# KiCad board transistor_clock.kicad_pcb
title: Transistor clock; date: 2023-09-27; rev: A; company: Xavier Bourlot
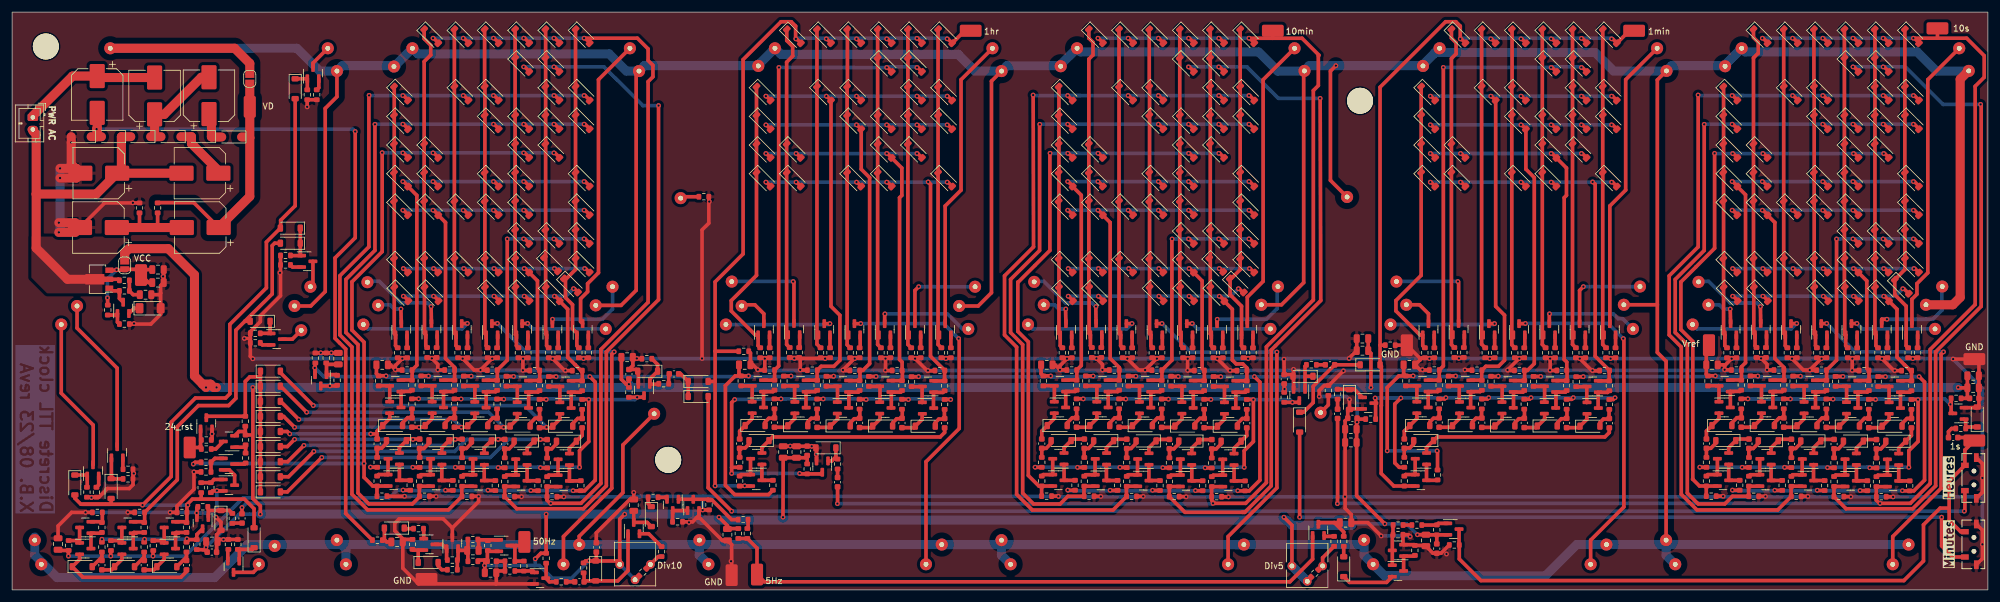
[diagram p0: board, top side]
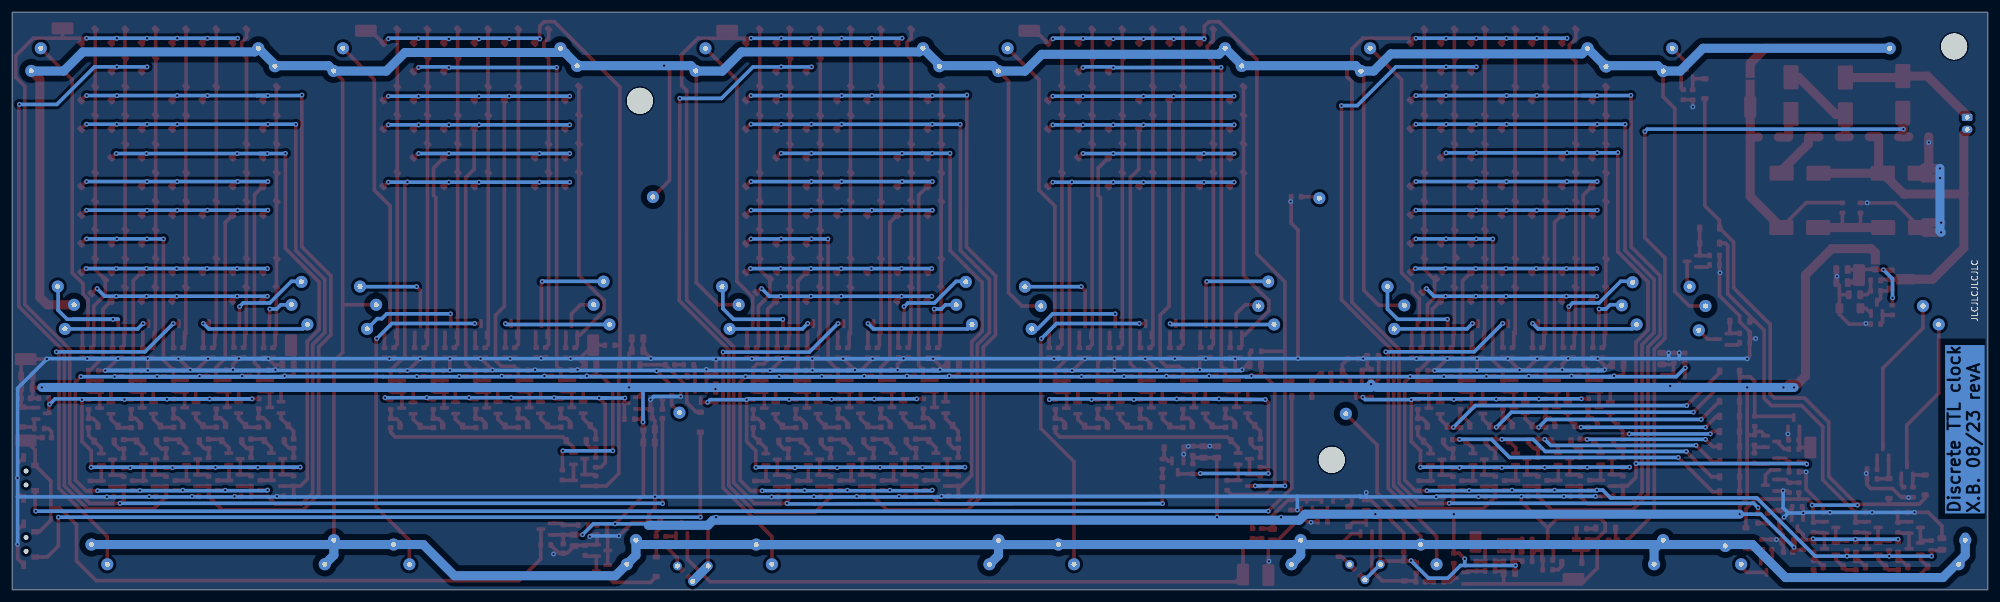
[diagram p1: board, bottom side, seen from below]

Outline 327 x 95.75 mm; copper layers: Top, Bottom. Coordinates in mm from the lower left corner of the outline.
Outline path: rectangle 0,95.75 327,0
Stack: Top 0.035mm / dielectric 1.51mm FR4 er 4.5 / Bottom 0.035mm

## Placement (name value [footprint] x y rotation side)
C1  10u  [C_0805_2012Metric]  53.99 38.33 270 top
C2  10u  [C_0805_2012Metric]  324.55 33.49 0 top
C3  1n  [C_0603_1608Metric]  88.55 24.14 90 top
C4  10u  [C_0805_2012Metric]  324.55 35.49 0 top
C5  100n  [C_0603_1608Metric]  324.74 31.75 180 top
C6  100n  [C_0603_1608Metric]  321.25 25.25 180 top
C7  10u  [C_0805_2012Metric]  281.34 37.3 180 top
C8  1n  [C_0603_1608Metric]  308.55 24.14 90 top
C9  1n  [C_0603_1608Metric]  301.54 24.17 90 top
C10  1n  [C_0603_1608Metric]  191.54 24.17 90 top
C11  1n  [C_0603_1608Metric]  74.47 24.19 90 top
C12  1n  [C_0603_1608Metric]  294.47 24.19 90 top
C13  10u  [C_0805_2012Metric]  221.57 26.63 180 top
C14  1n  [C_0603_1608Metric]  81.54 24.17 90 top
C15  10u  [C_0805_2012Metric]  223.49 41.65 180 top
C16  1n  [C_0603_1608Metric]  66.18 27.73 270 top
C17  10u  [C_0805_2012Metric]  129.82 22.86 90 top
C18  1n  [C_0603_1608Metric]  67.45 24.22 90 top
C19  10u  [C_0805_2012Metric]  221.57 24.43 180 top
C20  100n  [C_0603_1608Metric]  221.83 28.45 0 top
C21  100n  [C_0603_1608Metric]  219.37 29.18 90 top
C22  10u  [C_0805_2012Metric]  231.25 37.3 180 top
C23  1n  [C_0603_1608Metric]  287.45 24.22 90 top
C24  1n  [C_0603_1608Metric]  177.45 24.22 90 top
C25  1n  [C_0603_1608Metric]  184.47 24.19 90 top
C26  1n  [C_0603_1608Metric]  60.41 24.24 90 top
C27  10u  [C_0805_2012Metric]  101.79 38.55 0 top
C28  10u  [C_0805_2012Metric]  127.62 22.86 90 top
C29  100n  [C_0603_1608Metric]  131.59 23.05 270 top
C30  100n  [C_0603_1608Metric]  136.62 17.86 90 top
C31  10u  [C_0805_2012Metric]  121.25 37.3 180 top
C32  1n  [C_0603_1608Metric]  280.41 24.24 90 top
C33  1n  [C_0603_1608Metric]  286.17 27.73 270 top
C34  1n  [C_0603_1608Metric]  176.18 27.73 270 top
C35  1n  [C_0603_1608Metric]  170.41 24.24 90 top
C36  10u  [C_0805_2012Metric]  223.49 39.65 180 top
C37  100n  [C_0603_1608Metric]  210.54 34.92 270 top
C38  100n  [C_0603_1608Metric]  218.11 37.3 180 top
C39  10u  [C_0805_2012Metric]  171.25 37.3 180 top
C40  1n  [C_0603_1608Metric]  198.55 24.14 90 top
C41  100n  [C_0603_1608Metric]  109.54 35.8 180 top
C42  100n  [C_0603_1608Metric]  102.09 35.75 270 top
C43  10u  [C_0805_2012Metric]  61.25 37.3 180 top
C44  1n  [C_0603_1608Metric]  73.21 27.73 270 top
C45  1n  [C_0603_1608Metric]  94.34 27.63 270 top
C46  1n  [C_0603_1608Metric]  80.26 27.71 270 top
C47  1n  [C_0603_1608Metric]  293.21 27.73 270 top
C48  1n  [C_0603_1608Metric]  300.26 27.71 270 top
C49  1n  [C_0603_1608Metric]  190.26 27.71 270 top
C50  1n  [C_0603_1608Metric]  183.21 27.73 270 top
C51  1n  [C_0603_1608Metric]  87.29 27.66 270 top
C52  1n  [C_0603_1608Metric]  14.86 4.1 270 top
C53  1n  [C_0603_1608Metric]  307.29 27.66 270 top
C54  1n  [C_0603_1608Metric]  28.86 4.1 270 top
C55  1n  [C_0603_1608Metric]  21.86 4.1 270 top
C56  100n  [C_0603_1608Metric]  38.05 11.85 270 top
C57  10u  [C_0805_2012Metric]  7.61 7.61 270 top
C58  10u  [C_0805_2012Metric]  33.07 8.02 0 top
C59  100n  [C_0603_1608Metric]  33.07 6.27 180 top
C60  10u  [C_0805_2012Metric]  22.09 48.93 0 top
C61  10u  [C_0805_2012Metric]  24.14 50.93 0 top
C62  1n  [C_0603_1608Metric]  314.34 27.63 270 top
C63  1n  [C_0603_1608Metric]  204.34 27.63 270 top
C64  1n  [C_0603_1608Metric]  197.29 27.66 270 top
C65  470u  [CP_Elec_8x5.4]  14.09 82.1 270 top
C66  470u  [CP_Elec_8x5.4]  31.09 69.05 180 top
C67  10u  [C_0805_2012Metric]  118.39 9.15 270 top
C68  100n  [C_0603_1608Metric]  93.89 1.35 0 top
C69  100n  [C_0603_1608Metric]  96.69 7.05 270 top
C70  1u  [C_0805_2012Metric]  102.89 14.05 270 top
C71  1u  [C_0805_2012Metric]  220.69 11.15 180 top
C72  10u  [C_0805_2012Metric]  233.99 8.2 270 top
C73  100n  [C_0603_1608Metric]  235.79 6.85 90 top
C74  470u  [CP_Elec_8x5.4]  14.34 69.05 180 top
C75  470u  [CP_Elec_8x5.4]  32.59 81.9 90 top
C76  10u  [C_0805_2012Metric]  24.15 53.08 0 top
C77  10n  [C_0805_2012Metric]  63.71 7.95 180 top
C78  220p  [C_0805_2012Metric]  76.26 6.55 180 top
C79  10u  [C_0805_2012Metric]  79.19 2.85 0 top
C80  100n  [C_0603_1608Metric]  79.39 4.75 180 top
C81  470u  [CP_Elec_8x5.4]  23.59 81.85 90 top
C82  470u  [CP_Elec_8x5.4]  31.14 60.05 180 top
C83  470u  [CP_Elec_8x5.4]  14.29 60.05 180 top
C85  1n  [C_0603_1608Metric]  230.41 24.24 90 top
C86  1n  [C_0603_1608Metric]  236.17 27.73 270 top
C87  1n  [C_0603_1608Metric]  243.24 27.71 270 top
C88  1n  [C_0603_1608Metric]  250.26 27.68 270 top
C89  1n  [C_0603_1608Metric]  257.27 27.66 270 top
C90  1n  [C_0603_1608Metric]  264.34 27.63 270 top
C91  1n  [C_0603_1608Metric]  120.41 24.24 90 top
C92  1n  [C_0603_1608Metric]  126.18 27.73 270 top
C93  1n  [C_0603_1608Metric]  133.24 27.71 270 top
C94  1n  [C_0603_1608Metric]  140.26 27.68 270 top
C95  1n  [C_0603_1608Metric]  147.28 27.66 270 top
C96  1n  [C_0603_1608Metric]  154.34 27.63 270 top
D1  LED  [LED_filament_38mm]  323.25 89.75 180 top
D2  LED  [LED_filament_38mm]  319.32 49.28 83 top
D3  LED  [LED_filament_38mm]  318.37 44.24 263 top
D4  LED  [LED_filament_38mm]  312.25 4.25 180 top
D5  LED  [LED_filament_38mm]  278.25 44.97 263 top
D6  LED  [LED_filament_38mm]  278.99 50.05 83 top
D7  LED  [LED_filament_38mm]  279.75 47.25 0 top
D8  1N4148W  [D_SOD-123]  314.42 91.75 315 top
D9  1N4148W  [D_SOD-123]  309.42 91.75 315 top
D10  1N4148W  [D_SOD-123]  304.42 91.75 315 top
D11  1N4148W  [D_SOD-123]  299.37 91.75 315 top
D12  1N4148W  [D_SOD-123]  294.37 91.75 315 top
D13  1N4148W  [D_SOD-123]  289.37 91.75 315 top
D14  1N4148W  [D_SOD-123]  309.42 87 315 top
D15  1N4148W  [D_SOD-123]  304.42 87 315 top
D16  1N4148W  [D_SOD-123]  314.42 82.25 315 top
D17  1N4148W  [D_SOD-123]  309.42 82.25 315 top
D18  1N4148W  [D_SOD-123]  299.37 82.25 315 top
D19  1N4148W  [D_SOD-123]  294.37 82.25 315 top
D20  1N4148W  [D_SOD-123]  284.37 82.25 315 top
D21  1N4148W  [D_SOD-123]  314.42 77.5 315 top
D22  1N4148W  [D_SOD-123]  309.42 77.5 315 top
D23  1N4148W  [D_SOD-123]  304.42 77.5 315 top
D24  1N4148W  [D_SOD-123]  299.37 77.5 315 top
D25  1N4148W  [D_SOD-123]  284.37 77.5 315 top
D26  1N4148W  [D_SOD-123]  309.42 72.75 315 top
D27  1N4148W  [D_SOD-123]  304.42 72.75 315 top
D28  1N4148W  [D_SOD-123]  289.37 72.75 315 top
D29  1N4148W  [D_SOD-123]  284.37 72.75 315 top
D30  1N4148W  [D_SOD-123]  314.42 68 315 top
D31  1N4148W  [D_SOD-123]  304.42 68 315 top
D32  1N4148W  [D_SOD-123]  299.37 68 315 top
D33  1N4148W  [D_SOD-123]  289.37 68 315 top
D34  1N4148W  [D_SOD-123]  284.37 68 315 top
D35  1N4148W  [D_SOD-123]  314.42 63.25 315 top
D36  1N4148W  [D_SOD-123]  304.42 63.25 315 top
D37  1N4148W  [D_SOD-123]  299.37 63.25 315 top
D38  1N4148W  [D_SOD-123]  294.37 63.25 315 top
D39  1N4148W  [D_SOD-123]  289.37 63.25 315 top
D40  1N4148W  [D_SOD-123]  284.37 63.25 315 top
D41  1N4148W  [D_SOD-123]  314.42 58.5 315 top
D42  1N4148W  [D_SOD-123]  309.42 58.5 315 top
D43  1N4148W  [D_SOD-123]  304.42 58.5 315 top
D44  1N4148W  [D_SOD-123]  314.42 53.75 315 top
D45  1N4148W  [D_SOD-123]  309.42 53.75 315 top
D46  1N4148W  [D_SOD-123]  304.42 53.75 315 top
D47  1N4148W  [D_SOD-123]  299.37 53.75 315 top
D48  1N4148W  [D_SOD-123]  294.37 53.75 315 top
D49  1N4148W  [D_SOD-123]  289.37 53.75 315 top
D50  1N4148W  [D_SOD-123]  284.37 53.75 315 top
D51  1N4148W  [D_SOD-123]  312.75 50.25 315 top
D52  1N4148W  [D_SOD-123]  309.47 49 315 top
D53  1N4148W  [D_SOD-123]  304.47 49 315 top
D54  1N4148W  [D_SOD-123]  299.42 49 315 top
D55  1N4148W  [D_SOD-123]  289.42 49 315 top
D56  1N4148W  [D_SOD-123]  284.42 49 315 top
D57  1N4148W  [D_SOD-123]  325.22 28.65 90 top
D58  1N4148W  [D_SOD-123]  311.75 24.64 180 top
D59  1N4148W  [D_SOD-123]  304.74 24.67 180 top
D60  1N4148W  [D_SOD-123]  194.74 24.67 180 top
D61  1N4148W  [D_SOD-123]  94.42 91.75 315 top
D62  1N4148W  [D_SOD-123]  297.67 24.69 180 top
D63  LED  [LED_filament_38mm]  268.37 44.24 263 top
D64  LED  [LED_filament_38mm]  152.25 4.25 180 top
D65  1N4148W  [D_SOD-123]  154.42 91.75 315 top
D66  1N4148W  [D_SOD-123]  149.42 91.75 315 top
D67  1N4148W  [D_SOD-123]  144.42 91.75 315 top
D68  1N4148W  [D_SOD-123]  139.37 91.75 315 top
D69  1N4148W  [D_SOD-123]  134.37 91.75 315 top
D70  1N4148W  [D_SOD-123]  129.38 91.74 315 top
D71  1N4148W  [D_SOD-123]  149.42 87 315 top
D72  1N4148W  [D_SOD-123]  144.42 87 315 top
D73  1N4148W  [D_SOD-123]  154.42 82.25 315 top
D74  1N4148W  [D_SOD-123]  149.42 82.25 315 top
D75  1N4148W  [D_SOD-123]  139.37 82.25 315 top
D76  1N4148W  [D_SOD-123]  134.37 82.25 315 top
D77  1N4148W  [D_SOD-123]  124.37 82.25 315 top
D78  1N4148W  [D_SOD-123]  154.42 77.5 315 top
D79  1N4148W  [D_SOD-123]  149.42 77.5 315 top
D80  1N4148W  [D_SOD-123]  144.42 77.5 315 top
D81  1N4148W  [D_SOD-123]  139.37 77.5 315 top
D82  1N4148W  [D_SOD-123]  124.37 77.5 315 top
D83  1N4148W  [D_SOD-123]  149.42 72.75 315 top
D84  1N4148W  [D_SOD-123]  144.42 72.75 315 top
D85  1N4148W  [D_SOD-123]  129.37 72.75 315 top
D86  1N4148W  [D_SOD-123]  124.37 72.75 315 top
D87  1N4148W  [D_SOD-123]  154.42 68 315 top
D88  1N4148W  [D_SOD-123]  144.42 68 315 top
D89  1N4148W  [D_SOD-123]  139.37 68 315 top
D90  1N4148W  [D_SOD-123]  129.37 68 315 top
D91  1N4148W  [D_SOD-123]  124.37 68 315 top
D92  1N4148W  [D_SOD-123]  264.42 91.75 315 top
D93  1N4148W  [D_SOD-123]  259.42 91.75 315 top
D94  1N4148W  [D_SOD-123]  254.42 91.75 315 top
D95  1N4148W  [D_SOD-123]  249.37 91.75 315 top
D96  1N4148W  [D_SOD-123]  244.37 91.75 315 top
D97  1N4148W  [D_SOD-123]  239.38 91.74 315 top
D98  1N4148W  [D_SOD-123]  259.42 87 315 top
D99  1N4148W  [D_SOD-123]  254.42 87 315 top
D100  1N4148W  [D_SOD-123]  264.42 82.25 315 top
D101  1N4148W  [D_SOD-123]  259.42 82.25 315 top
D102  1N4148W  [D_SOD-123]  249.37 82.25 315 top
D103  1N4148W  [D_SOD-123]  244.37 82.25 315 top
D104  1N4148W  [D_SOD-123]  234.37 82.25 315 top
D105  1N4148W  [D_SOD-123]  264.42 77.5 315 top
D106  1N4148W  [D_SOD-123]  259.42 77.5 315 top
D107  1N4148W  [D_SOD-123]  254.42 77.5 315 top
D108  1N4148W  [D_SOD-123]  249.37 77.5 315 top
D109  1N4148W  [D_SOD-123]  234.37 77.5 315 top
D110  1N4148W  [D_SOD-123]  259.42 72.75 315 top
D111  1N4148W  [D_SOD-123]  254.42 72.75 315 top
D112  1N4148W  [D_SOD-123]  239.37 72.75 315 top
D113  1N4148W  [D_SOD-123]  234.37 72.75 315 top
D114  1N4148W  [D_SOD-123]  264.42 68 315 top
D115  1N4148W  [D_SOD-123]  254.42 68 315 top
D116  1N4148W  [D_SOD-123]  249.37 68 315 top
D117  1N4148W  [D_SOD-123]  239.37 68 315 top
D118  1N4148W  [D_SOD-123]  234.37 68 315 top
D119  LED  [LED_filament_38mm]  229.75 47.25 0 top
D120  LED  [LED_filament_38mm]  118.26 44.97 263 top
D121  LED  [LED_filament_38mm]  273.25 89.75 180 top
D122  LED  [LED_filament_38mm]  213.25 89.75 180 top
D123  1N4148W  [D_SOD-123]  221.34 31.55 270 top
D124  LED  [LED_filament_38mm]  209.38 49.28 83 top
D125  LED  [LED_filament_38mm]  228.26 44.97 263 top
D126  LED  [LED_filament_38mm]  262.25 4.25 180 top
D127  1N4148W  [D_SOD-123]  290.65 24.72 180 top
D128  LED  [LED_filament_38mm]  228.99 50.1 83 top
D129  LED  [LED_filament_38mm]  269.3 49.28 83 top
D130  1N4148W  [D_SOD-123]  180.65 24.72 180 top
D131  LED  [LED_filament_38mm]  158.37 44.24 263 top
D132  1N4148W  [D_SOD-123]  187.68 24.69 180 top
D133  LED  [LED_filament_38mm]  163.25 89.75 180 top
D134  1N4148W  [D_SOD-123]  89.42 91.75 315 top
D135  LED  [LED_filament_38mm]  119.75 47.05 0 top
D136  1N4148W  [D_SOD-123]  84.42 91.75 315 top
D137  1N4148W  [D_SOD-123]  134.69 23.54 180 top
D138  LED  [LED_filament_38mm]  159.25 49.25 83 top
D139  1N4148W  [D_SOD-123]  283.61 24.74 180 top
D140  LED  [LED_filament_38mm]  208.37 44.24 263 top
D141  1N4148W  [D_SOD-123]  282.97 27.23 0 top
D142  1N4148W  [D_SOD-123]  172.97 27.23 0 top
D143  LED  [LED_filament_38mm]  118.99 50.1 83 top
D144  1N4148W  [D_SOD-123]  173.61 24.74 180 top
D145  LED  [LED_filament_38mm]  169.75 47.25 0 top
D146  LED  [LED_filament_38mm]  202.25 4.25 180 top
D147  1N4148W  [D_SOD-123]  213.64 35.41 180 top
D148  1N4148W  [D_SOD-123]  201.75 24.64 180 top
D149  LED  [LED_filament_38mm]  168.26 44.97 263 top
D150  1N4148W  [D_SOD-123]  204.42 91.75 315 top
D151  1N4148W  [D_SOD-123]  199.42 91.75 315 top
D152  1N4148W  [D_SOD-123]  194.42 91.75 315 top
D153  1N4148W  [D_SOD-123]  189.37 91.75 315 top
D154  1N4148W  [D_SOD-123]  184.37 91.75 315 top
D155  1N4148W  [D_SOD-123]  179.37 91.75 315 top
D156  1N4148W  [D_SOD-123]  199.42 87 315 top
D157  1N4148W  [D_SOD-123]  194.42 87 315 top
D158  1N4148W  [D_SOD-123]  204.42 82.25 315 top
D159  1N4148W  [D_SOD-123]  199.42 82.25 315 top
D160  1N4148W  [D_SOD-123]  189.37 82.25 315 top
D161  1N4148W  [D_SOD-123]  184.37 82.25 315 top
D162  1N4148W  [D_SOD-123]  174.37 82.25 315 top
D163  1N4148W  [D_SOD-123]  204.42 77.5 315 top
D164  1N4148W  [D_SOD-123]  199.42 77.5 315 top
D165  1N4148W  [D_SOD-123]  194.42 77.5 315 top
D166  1N4148W  [D_SOD-123]  189.37 77.5 315 top
D167  1N4148W  [D_SOD-123]  174.37 77.5 315 top
D168  1N4148W  [D_SOD-123]  199.42 72.75 315 top
D169  1N4148W  [D_SOD-123]  194.42 72.75 315 top
D170  1N4148W  [D_SOD-123]  179.37 72.75 315 top
D171  1N4148W  [D_SOD-123]  174.37 72.75 315 top
D172  1N4148W  [D_SOD-123]  204.42 68 315 top
D173  1N4148W  [D_SOD-123]  194.42 68 315 top
D174  1N4148W  [D_SOD-123]  189.37 68 315 top
D175  1N4148W  [D_SOD-123]  179.37 68 315 top
D176  1N4148W  [D_SOD-123]  174.37 68 315 top
D177  1N4148W  [D_SOD-123]  204.42 63.25 315 top
D178  1N4148W  [D_SOD-123]  194.42 63.25 315 top
D179  1N4148W  [D_SOD-123]  189.37 63.25 315 top
D180  1N4148W  [D_SOD-123]  184.37 63.25 315 top
D181  1N4148W  [D_SOD-123]  179.37 63.25 315 top
D182  1N4148W  [D_SOD-123]  174.37 63.25 315 top
D183  1N4148W  [D_SOD-123]  204.42 58.5 315 top
D184  1N4148W  [D_SOD-123]  199.42 58.5 315 top
D185  1N4148W  [D_SOD-123]  194.42 58.5 315 top
D186  1N4148W  [D_SOD-123]  204.42 53.75 315 top
D187  1N4148W  [D_SOD-123]  199.29 53.85 315 top
D188  1N4148W  [D_SOD-123]  194.42 53.75 315 top
D189  1N4148W  [D_SOD-123]  189.37 53.75 315 top
D190  1N4148W  [D_SOD-123]  184.37 53.75 315 top
D191  1N4148W  [D_SOD-123]  179.37 53.75 315 top
D192  1N4148W  [D_SOD-123]  174.37 53.75 315 top
D193  1N4148W  [D_SOD-123]  202.69 50.45 315 top
D194  1N4148W  [D_SOD-123]  199.47 49 315 top
D195  1N4148W  [D_SOD-123]  194.47 49 315 top
D196  1N4148W  [D_SOD-123]  189.42 49 315 top
D197  1N4148W  [D_SOD-123]  179.42 49 315 top
D198  1N4148W  [D_SOD-123]  174.42 49 315 top
D199  LED  [LED_filament_38mm]  169.04 50.05 83 top
D200  1N4148W  [D_SOD-123]  79.37 91.75 315 top
D201  LED  [LED_filament_38mm]  58.26 44.97 263 top
D202  1N4148W  [D_SOD-123]  74.37 91.75 315 top
D203  1N4148W  [D_SOD-123]  69.37 91.75 315 top
D204  1N4148W  [D_SOD-123]  89.42 87 315 top
D205  1N4148W  [D_SOD-123]  84.42 87 315 top
D206  1N4148W  [D_SOD-123]  94.42 82.25 315 top
D207  1N4148W  [D_SOD-123]  89.42 82.25 315 top
D208  1N4148W  [D_SOD-123]  79.37 82.25 315 top
D209  1N4148W  [D_SOD-123]  74.37 82.25 315 top
D210  1N4148W  [D_SOD-123]  64.37 82.25 315 top
D211  1N4148W  [D_SOD-123]  94.42 77.5 315 top
D212  1N4148W  [D_SOD-123]  89.42 77.5 315 top
D213  1N4148W  [D_SOD-123]  84.42 77.5 315 top
D214  1N4148W  [D_SOD-123]  79.37 77.5 315 top
D215  1N4148W  [D_SOD-123]  64.37 77.5 315 top
D216  1N4148W  [D_SOD-123]  89.42 72.75 315 top
D217  1N4148W  [D_SOD-123]  84.42 72.75 315 top
D218  1N4148W  [D_SOD-123]  69.37 72.75 315 top
D219  1N4148W  [D_SOD-123]  64.37 72.75 315 top
D220  1N4148W  [D_SOD-123]  94.42 68 315 top
D221  1N4148W  [D_SOD-123]  84.42 68 315 top
D222  1N4148W  [D_SOD-123]  79.37 68 315 top
D223  1N4148W  [D_SOD-123]  69.37 68 315 top
D224  1N4148W  [D_SOD-123]  64.37 68 315 top
D225  1N4148W  [D_SOD-123]  94.42 63.25 315 top
D226  1N4148W  [D_SOD-123]  84.42 63.25 315 top
D227  1N4148W  [D_SOD-123]  79.37 63.25 315 top
D228  1N4148W  [D_SOD-123]  74.37 63.25 315 top
D229  1N4148W  [D_SOD-123]  69.37 63.25 315 top
D230  1N4148W  [D_SOD-123]  64.37 63.25 315 top
D231  1N4148W  [D_SOD-123]  94.42 58.5 315 top
D232  1N4148W  [D_SOD-123]  89.42 58.5 315 top
D233  1N4148W  [D_SOD-123]  84.42 58.5 315 top
D234  1N4148W  [D_SOD-123]  94.42 53.75 315 top
D235  1N4148W  [D_SOD-123]  89.19 53.95 315 top
D236  1N4148W  [D_SOD-123]  84.42 53.75 315 top
D237  1N4148W  [D_SOD-123]  79.37 53.75 315 top
D238  1N4148W  [D_SOD-123]  74.37 53.75 315 top
D239  1N4148W  [D_SOD-123]  69.37 53.75 315 top
D240  1N4148W  [D_SOD-123]  64.37 53.75 315 top
D241  1N4148W  [D_SOD-123]  92.49 50.45 315 top
D242  1N4148W  [D_SOD-123]  89.47 49 315 top
D243  1N4148W  [D_SOD-123]  84.47 49 315 top
D244  1N4148W  [D_SOD-123]  79.42 49 315 top
D245  1N4148W  [D_SOD-123]  69.42 49 315 top
D246  1N4148W  [D_SOD-123]  64.42 49 315 top
D247  1N4148W  [D_SOD-123]  91.75 24.64 180 top
D248  1N4148W  [D_SOD-123]  77.68 24.69 180 top
D249  1N4148W  [D_SOD-123]  84.74 24.67 180 top
D250  1N4148W  [D_SOD-123]  62.98 27.23 0 top
D251  LED  [LED_filament_38mm]  98.37 44.24 263 top
D252  1N4148W  [D_SOD-123]  70.65 24.72 180 top
D253  1N4148W  [D_SOD-123]  63.61 24.74 180 top
D254  LED  [LED_filament_38mm]  92.25 4.25 180 top
D255  1N4148W  [D_SOD-123]  290.01 27.23 0 top
D256  1N4148W  [D_SOD-123]  297.06 27.21 0 top
D257  LED  [LED_filament_38mm]  58.69 50 83 top
D258  1N4148W  [D_SOD-123]  187.06 27.21 0 top
D259  LED  [LED_filament_38mm]  103.25 89.75 180 top
D260  LED  [LED_filament_38mm]  59.6 47.15 0 top
D261  1N4148W  [D_SOD-123]  180.01 27.23 0 top
D262  1N4148W  [D_SOD-123]  105.19 36.24 180 top
D263  LED  [LED_filament_38mm]  99.25 49.25 83 top
D264  1N4148W  [D_SOD-123]  70.01 27.23 0 top
D265  1N4148W  [D_SOD-123]  304.09 27.16 0 top
D266  1N4148W  [D_SOD-123]  91.14 27.13 0 top
D267  1N4148W  [D_SOD-123]  77.06 27.21 0 top
D268  LED  [LED_filament_38mm]  8.26 44.97 263 top
D269  1N4148W  [D_SOD-123]  84.09 27.16 0 top
D270  1N4148W  [D_SOD-123]  11.61 3.85 0 top
D271  1N4148W  [D_SOD-123]  42.75 16.25 0 top
D272  1N4148W  [D_SOD-123]  42.75 18.75 0 top
D273  1N4148W  [D_SOD-123]  42.75 21.25 0 top
D274  1N4148W  [D_SOD-123]  42.75 23.75 0 top
D275  1N4148W  [D_SOD-123]  42.75 26.25 0 top
D276  1N4148W  [D_SOD-123]  42.75 28.75 0 top
D277  1N4148W  [D_SOD-123]  42.75 31.25 0 top
D278  1N4148W  [D_SOD-123]  42.75 33.75 0 top
D279  LED  [LED_filament_38mm]  47.97 44.01 263 top
D280  LED  [LED_filament_38mm]  41.84 4.25 180 top
D281  1N4148W  [D_SOD-123]  311.14 27.13 0 top
D282  LED  [LED_filament_38mm]  53.25 89.75 180 top
D283  LED  [LED_filament_38mm]  9.75 47.05 0 top
D284  LED  [LED_filament_38mm]  49.25 49.25 83 top
D285  1N4148W  [D_SOD-123]  201.14 27.13 0 top
D286  1N4148W  [D_SOD-123]  194.09 27.16 0 top
D287  1N4148W  [D_SOD-123]  42.75 36.25 0 top
D288  1N4148W  [D_SOD-123]  25.61 3.85 0 top
D289  1N4148W  [D_SOD-123]  96.59 3.15 270 top
D290  1N4148W  [D_SOD-123]  105.79 12.15 270 top
D291  1N4148W  [D_SOD-123]  18.61 3.85 0 top
D292  1N4148W  [D_SOD-123]  34.57 11.52 270 top
D293  1N4148W  [D_SOD-123]  220.39 3.85 90 top
D294  1N4148W  [D_SOD-123]  46.05 57.45 180 top
D295  1N4148W  [D_SOD-123]  41.05 44.51 180 top
D296  1N4148W  [D_SOD-123]  11.44 75.1 180 top
D297  3V3  [D_MiniMELF]  22.84 46.68 0 top
D298  1N4148W  [D_SOD-123]  16.44 75.1 180 top
D299  1N4148W  [D_SOD-123]  63.26 10.25 180 top
D300  1N4148W  [D_SOD-123]  68.86 4.55 0 top
D301  1N4148W  [D_SOD-123]  213.09 27.8 270 top
D302  1N4148W  [D_SOD-123]  224.75 37.3 0 top
D303  1N4148W  [D_SOD-123]  113.55 34.55 0 top
D304  1N4148W  [D_SOD-123]  233.61 24.74 180 top
D305  1N4148W  [D_SOD-123]  232.97 27.23 0 top
D306  1N4148W  [D_SOD-123]  240.04 27.21 0 top
D307  1N4148W  [D_SOD-123]  247.06 27.18 0 top
D308  1N4148W  [D_SOD-123]  254.08 27.16 0 top
D309  1N4148W  [D_SOD-123]  261.14 27.13 0 top
D310  1N4148W  [D_SOD-123]  123.61 24.74 180 top
D311  1N4148W  [D_SOD-123]  122.97 27.23 0 top
D312  1N4148W  [D_SOD-123]  130.04 27.21 0 top
D313  1N4148W  [D_SOD-123]  137.06 27.18 0 top
D314  1N4148W  [D_SOD-123]  144.08 27.16 0 top
D315  1N4148W  [D_SOD-123]  151.14 27.13 0 top
D316  LED  [LED_filament_38mm]  110.77 65.91 263 top
D317  LED  [LED_filament_38mm]  216.43 28.39 83 top
D318  1N4148W  [D_SOD-123]  46.85 83.05 270 top
D319  1N4148W  [D_SOD-123]  46.05 59.95 180 top
D320  1N4148W  [D_SOD-123]  40.05 8.65 90 top
D321  1N4148W  [D_SOD-123]  10.39 17.39 270 top
D322  1N4148W  [D_SOD-123]  16.39 16.8 270 top
D323  1N4148W  [D_SOD-123]  113.55 32.05 0 top
D324  1N4148W  [D_SOD-123]  21.29 75.1 180 top
D325  1N4148W  [D_SOD-123]  26.29 75.1 180 top
D326  1N4148W  [D_SOD-123]  31.34 75.1 180 top
D327  1N4148W  [D_SOD-123]  36.34 75.05 180 top
H2  M4  [MountingHole_4.3mm_M4]  108.59 21.55 0 top
H3  M4  [MountingHole_4.3mm_M4]  5.59 90.05 0 top
H4  M4  [MountingHole_4.3mm_M4]  223.09 81.05 0 top
J2  2mm  [JST_PH_B2B-PH-K_1x02_P2.00mm_Vertical]  3.44 78.3 270 top
JP1  VCC  [SolderJumper-2_P1.3mm_Open_RoundedPad1.0x1.5mm]  18.64 53.78 90 top
JP2  VCC  [SolderJumper-2_P1.3mm_Open_RoundedPad1.0x1.5mm]  39.34 84.7 270 top
Q1  MMBT3904  [SOT-23]  51.09 34.74 270 top
Q2  MMBT3904  [SOT-23]  314.42 43.19 90 top
Q3  MMBT3904  [SOT-23]  309.42 43.19 90 top
Q4  MMBT3904  [SOT-23]  304.41 43.19 90 top
Q5  MMBT3904  [SOT-23]  299.41 43.19 90 top
Q6  MMBT3904  [SOT-23]  294.41 43.19 90 top
Q7  MMBT3904  [SOT-23]  289.4 43.23 90 top
Q8  MMBT3904  [SOT-23]  284.41 43.19 90 top
Q9  MMBT3904  [SOT-23]  322.12 29.25 180 top
Q10  MMBT5401  [SOT-23]  311.3 21.64 180 top
Q11  MMBT3904  [SOT-23]  311.3 18.06 0 top
Q12  MMBT5401  [SOT-23]  304.29 21.67 180 top
Q13  MMBT3904  [SOT-23]  304.29 18.09 0 top
Q14  MMBT5401  [SOT-23]  194.29 21.67 180 top
Q15  MMBT3904  [SOT-23]  194.29 18.09 0 top
Q16  MMBT5401  [SOT-23]  91.3 21.64 180 top
Q17  MMBT3904  [SOT-23]  91.3 18.06 0 top
Q18  MMBT5401  [SOT-23]  297.22 21.69 180 top
Q19  MMBT3904  [SOT-23]  297.22 18.11 0 top
Q20  MMBT3904  [SOT-23]  254.41 43.19 90 top
Q21  MMBT3904  [SOT-23]  139.41 43.19 90 top
Q22  MMBT3904  [SOT-23]  234.41 43.19 90 top
Q23  MMBT3904  [SOT-23]  134.41 43.19 90 top
Q24  MMBT3904  [SOT-23]  264.42 43.19 90 top
Q25  MMBT3904  [SOT-23]  204.42 43.19 90 top
Q26  MMBT3904  [SOT-23]  224.44 30.95 0 top
Q27  MMBT3904  [SOT-23]  199.42 43.19 90 top